# Altium PCB SDR_CAMERA.PcbDoc (part 1 of 3)
Units mil, origin at the board's own origin, x right, y up, seen from the top; angles counter-clockwise.
Board outline 4374.02 x 2769.29 mil, 10 copper layers (L1-TOP(Sign), L2(GND), L3(PWR), L4(GND), L5(Sign), L6(Sign), L7(GND), L8(PWR), L9(GND), L10-BOT(Sign)), stack 60 mil thick; 352 components, 289 nets, 1442 pads, 92 vias.
Unrouted connection lines stored in the file: 944.
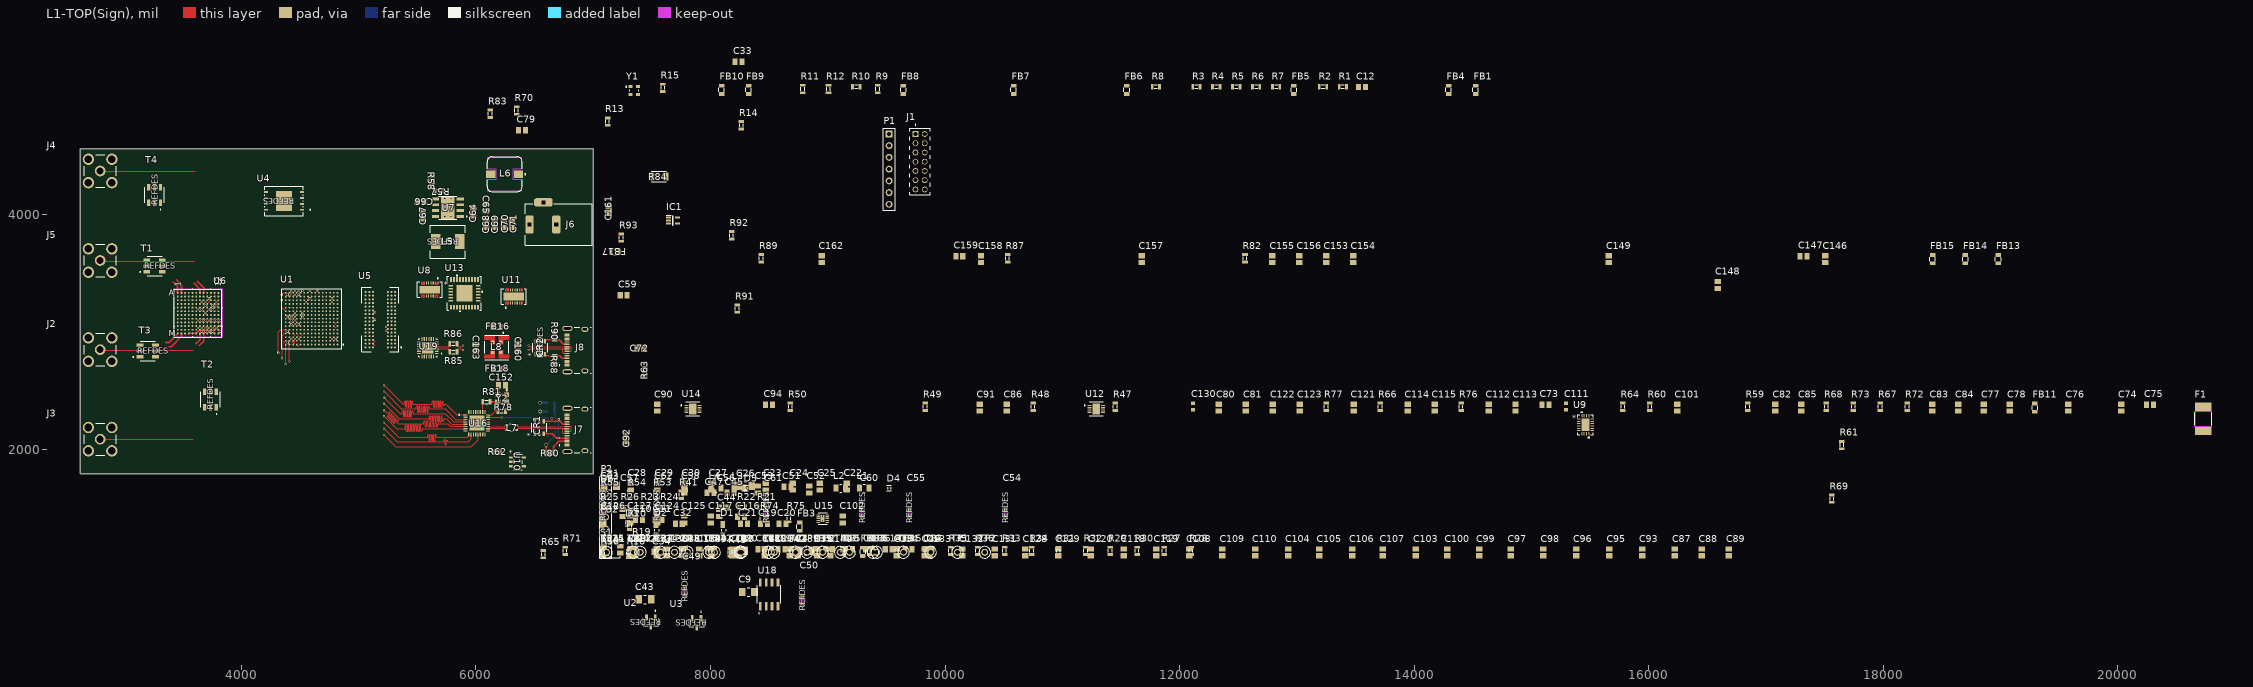
[diagram p0: L1-TOP(Sign) view]
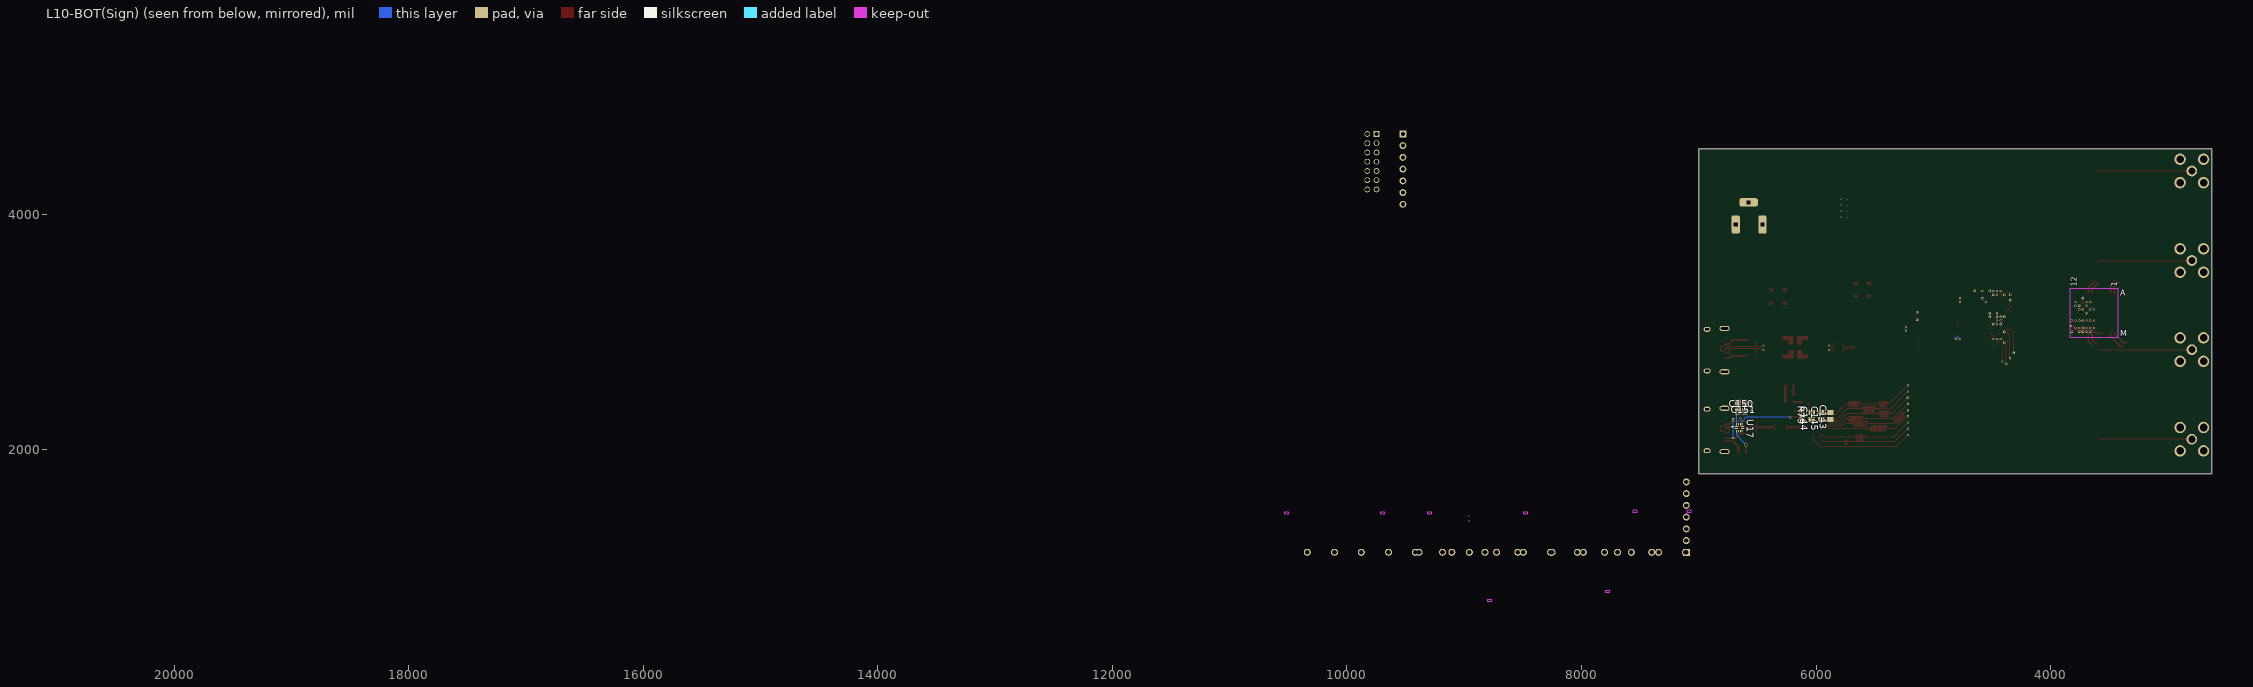
[diagram p1: L10-BOT(Sign) view, seen from below]
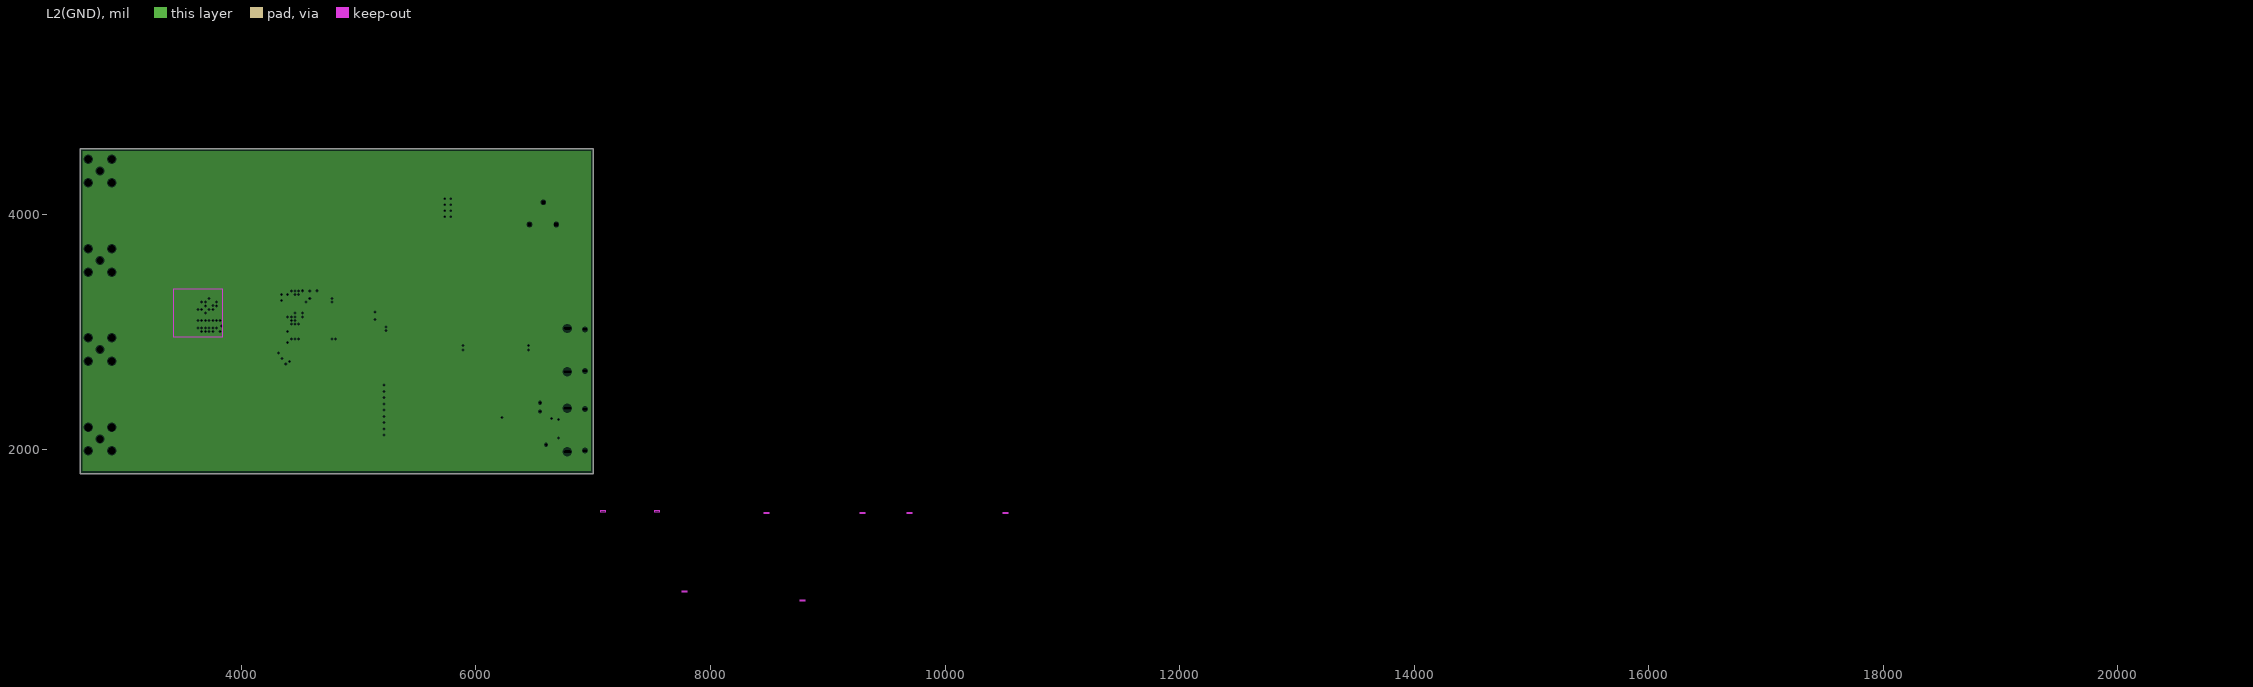
[diagram p2: L2(GND), clearances drawn from the general rule]
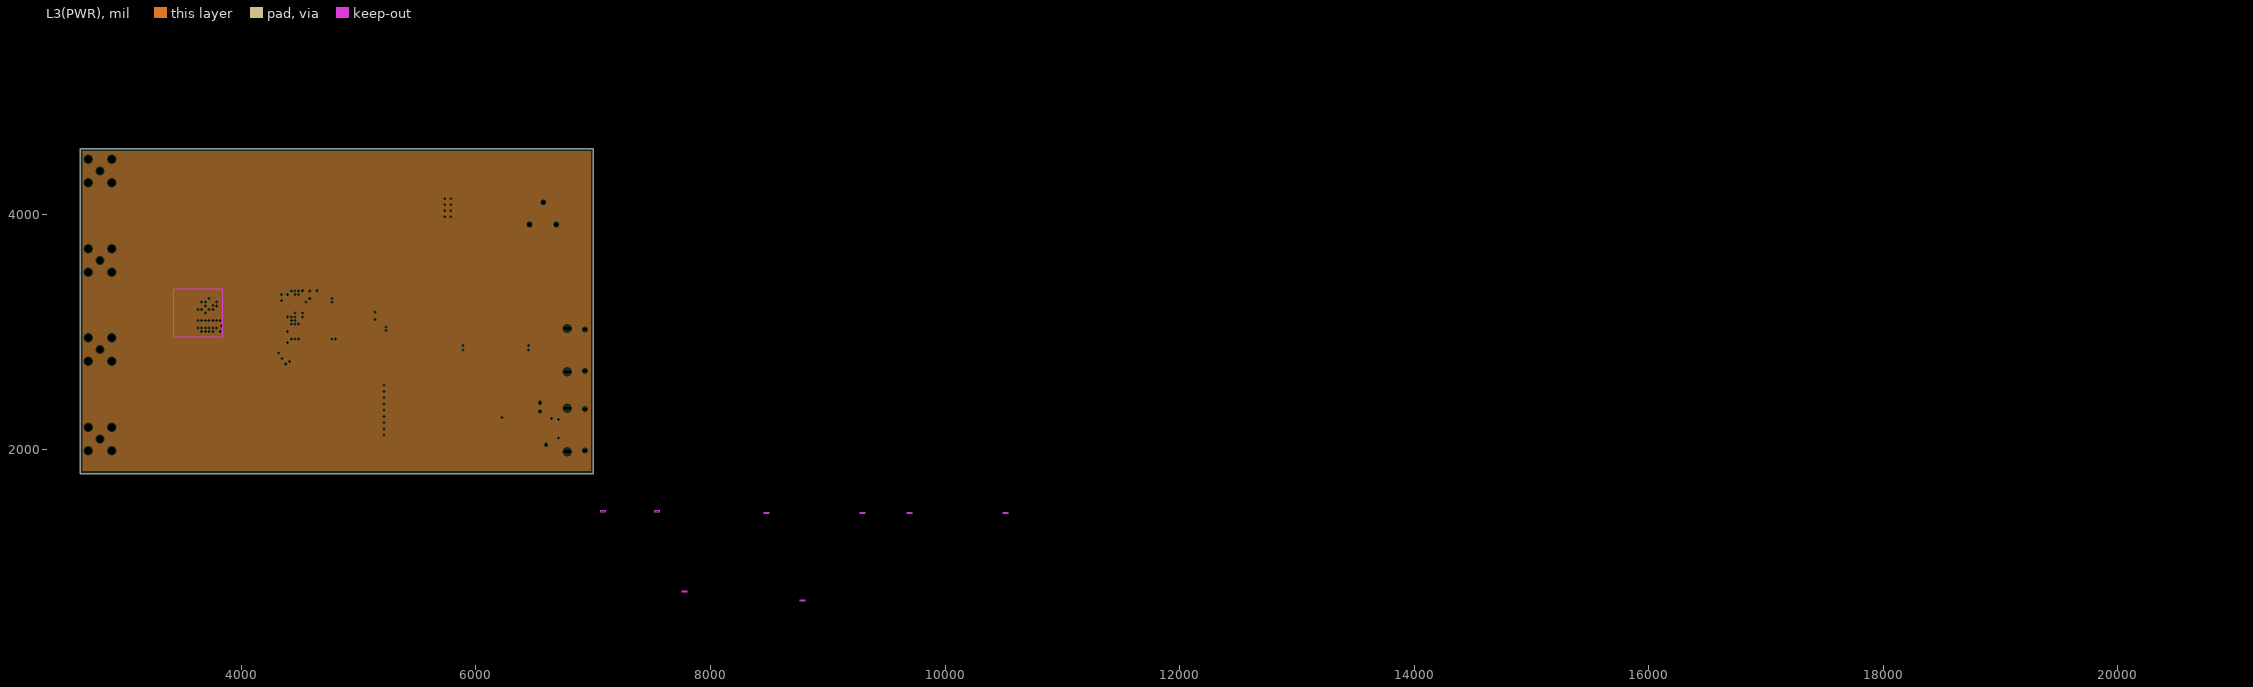
[diagram p3: L3(PWR), clearances drawn from the general rule]
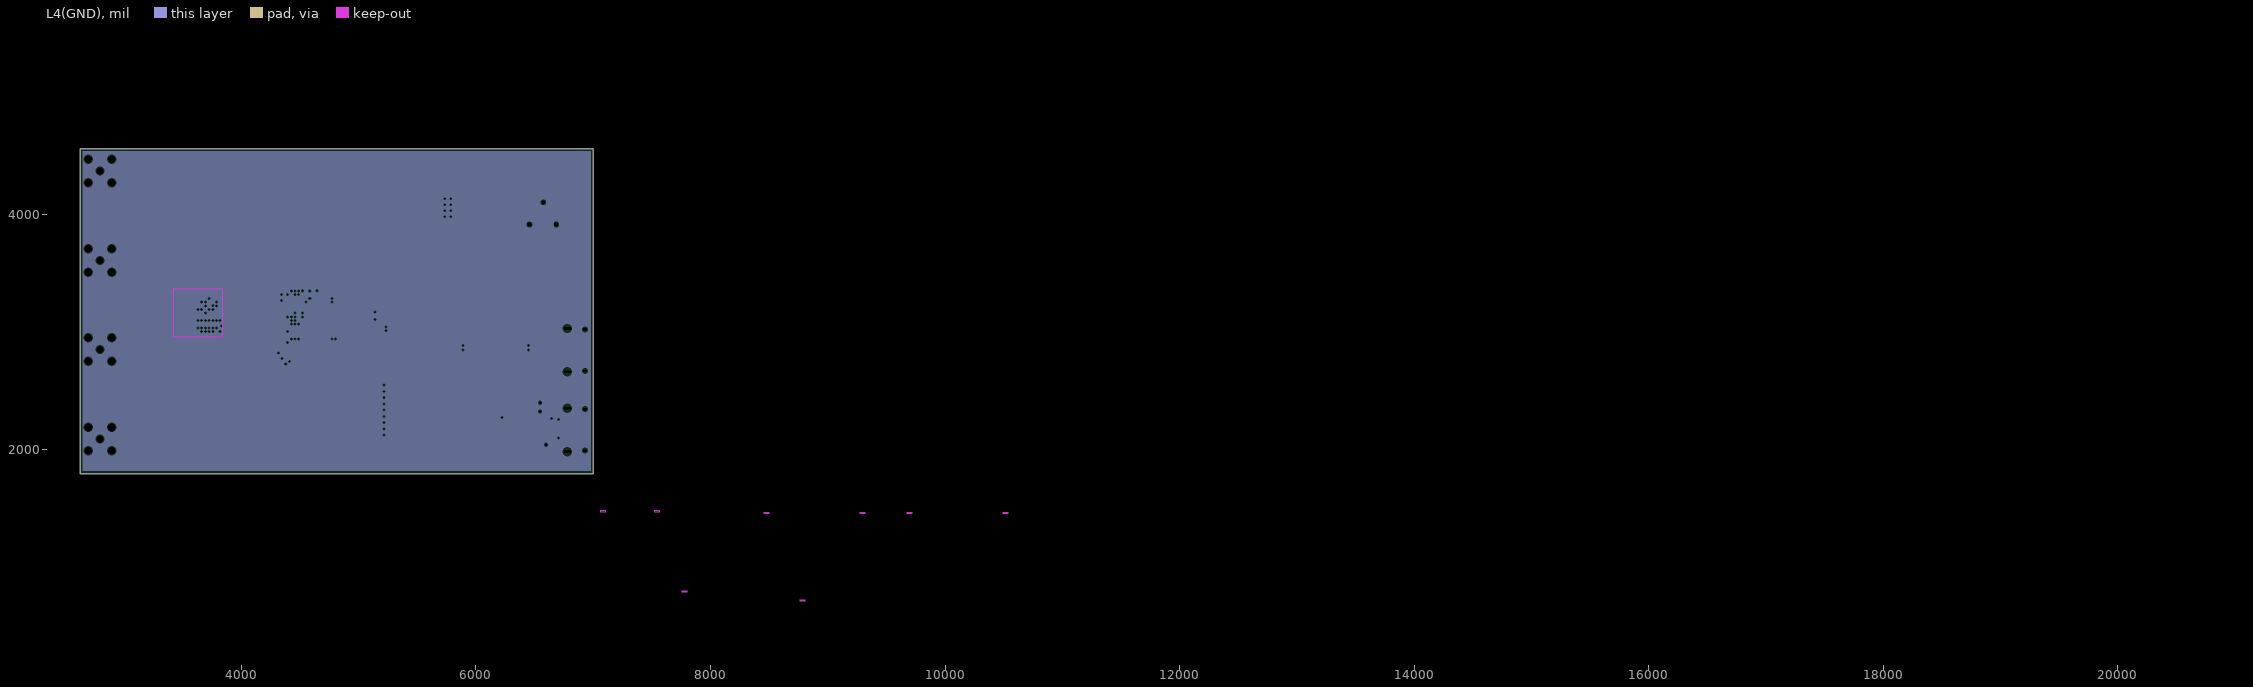
[diagram p4: L4(GND), clearances drawn from the general rule]
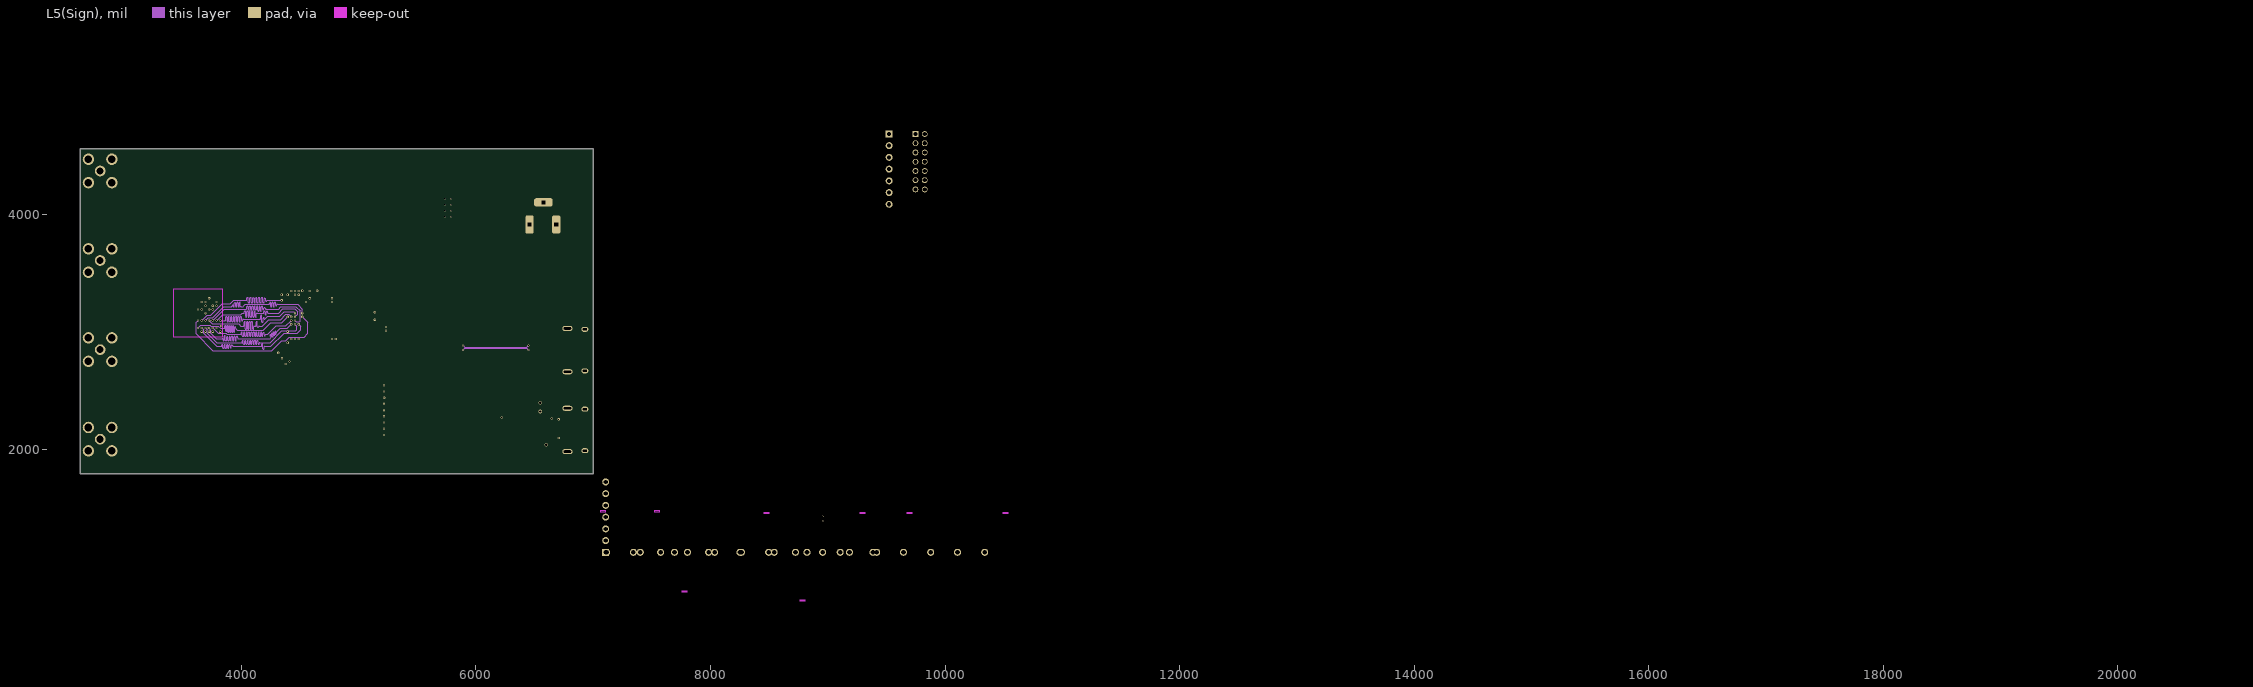
[diagram p5: L5(Sign)]
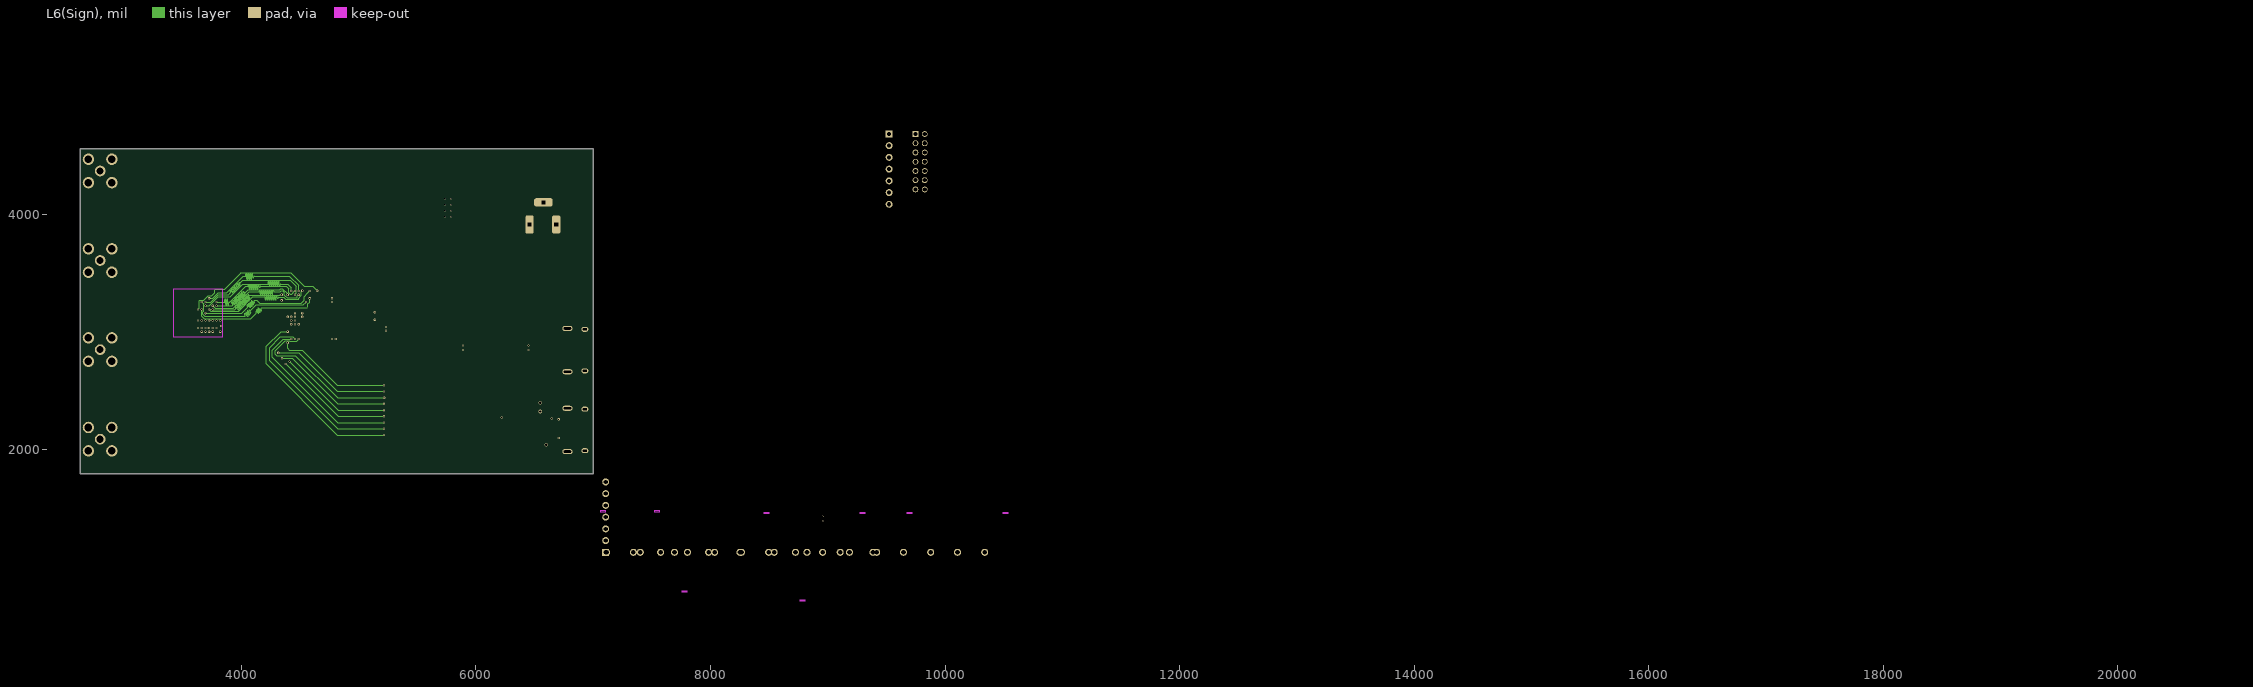
[diagram p6: L6(Sign)]
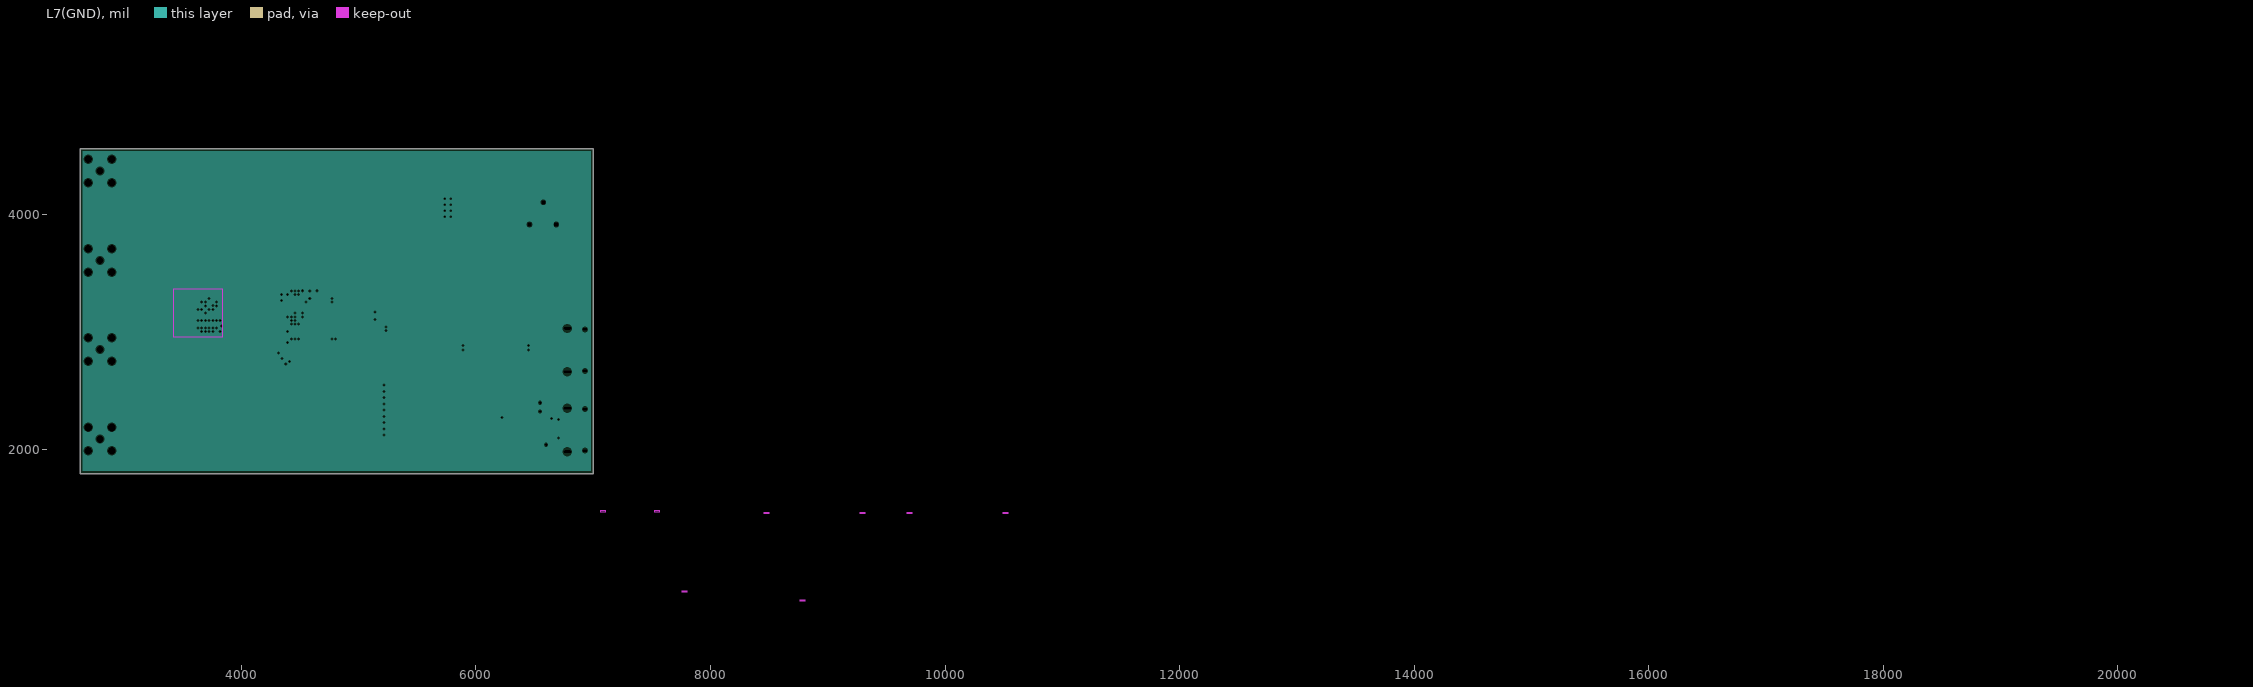
[diagram p7: L7(GND), clearances drawn from the general rule]
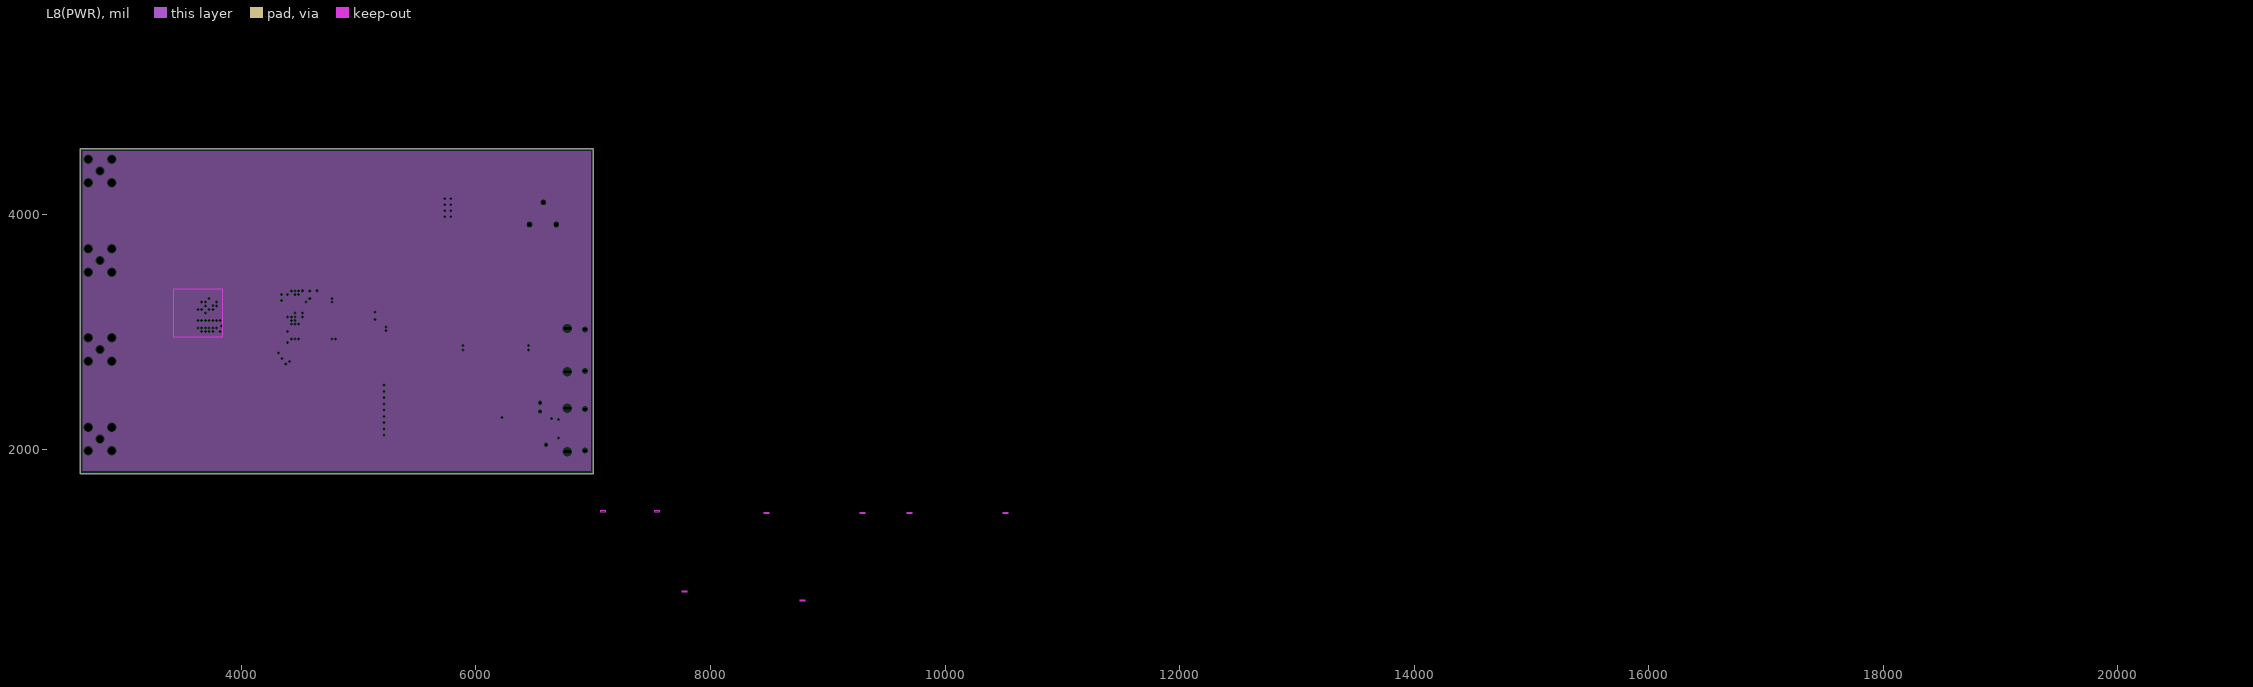
[diagram p8: L8(PWR), clearances drawn from the general rule]
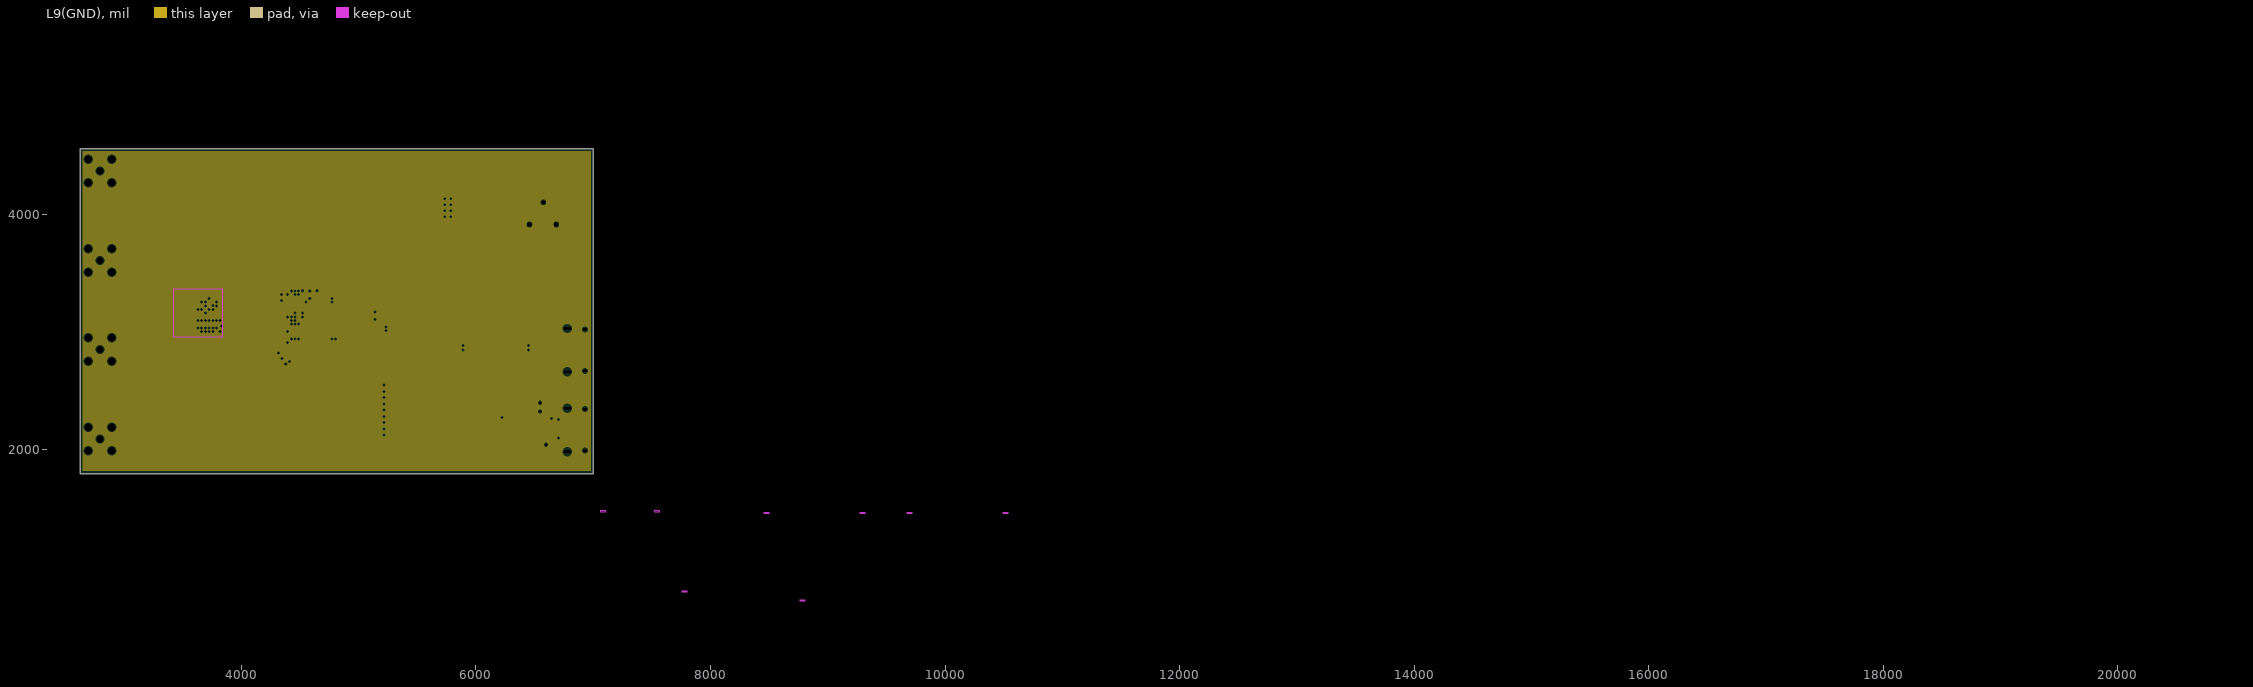
[diagram p9: L9(GND), clearances drawn from the general rule]

## Layer stack, top to bottom
Top Solder: solder mask 1, SM-001, Dk 4
L1-TOP(Sign): signal copper 1.378
PP1: prepreg 3.3661, 3313 RC58%, Dk 4.45
L2(GND): plane copper 1.378
CORE 1: core 5.1181, Core-016, Dk 4.6
L3(PWR): plane copper 1.378
PP2: prepreg 6.3386, 7628 RC46%, Dk 4.74
L4(GND): plane copper 1.378
CORE 2: core 5.1181, Core-016, Dk 4.6
L5(Sign): signal copper 1.378
PP3-1: prepreg 3.1693, 7628 RC46%, Dk 4.74
PP3-2: prepreg 3.1693, 7628 RC46%, Dk 4.74
L6(Sign): signal copper 1.378
CORE 3: core 5.1181, Core-016, Dk 4.6
L7(GND): plane copper 1.378
PP4: prepreg 6.3386, 7628 RC46%, Dk 4.74
L8(PWR): plane copper 1.378
CORE 4: core 5.1181, Core-016, Dk 4.6
L9(GND): plane copper 1.378
PP5: prepreg 3.3661, 3313 RC58%, Dk 4.45
L10-BOT(Sign): signal copper 1.378
Bottom Solder: solder mask 1, SM-001, Dk 4

## Board outline
2625.98,1793.7 7000,1793.7 7000,4562.99 2625.98,4562.99

## Design rules (kind name [scope] priority, off if disabled: settings)
Clearance [All] p1: gap=4.02 ignorepadtopadclearanceinfootprint=TRUE
DiffPairsRouting Z100 [InDifferentialPairClass('D100')] p1: maxlimit=19.68 minlimit=11.81 mostfreqgap=23.62 toplayer_maxgap=11.81 toplayer_prefgap=11.81 toplayer_minwidth=5.32 toplayer_maxwidth=5.32 toplayer_prefwidth=5.32 midlayer1_mingap=19.68 midlayer1_minwidth=3.94 midlayer1_maxwidth=3.94 midlayer1_prefwidth=4.02 midlayer2_mingap=19.68 midlayer2_minwidth=3.94 midlayer2_maxwidth=3.94 midlayer2_prefwidth=4.02 bottomlayer_maxgap=11.81 bottomlayer_prefgap=11.81 bottomlayer_minwidth=5.32 bottomlayer_maxwidth=5.32 bottomlayer_prefwidth=5.32 impedanceprofiledriven=TRUE impedanceprofileid={E188B60C-FACD-4E9A-965F-4F36FC31DA77} impedanceprofilevalue=100.000000 maxuncoupledlength=500
DiffPairsRouting Z90 [InDifferentialPairClass('D90')] p2: maxlimit=7.87 minlimit=7.87 mostfreqgap=7.87 toplayer_minwidth=6.06 toplayer_maxwidth=6.06 toplayer_prefwidth=6.06 midlayer1_minwidth=3.94 midlayer1_maxwidth=3.94 midlayer1_prefwidth=3.94 midlayer2_minwidth=3.94 midlayer2_maxwidth=3.94 midlayer2_prefwidth=3.94 bottomlayer_minwidth=6.06 bottomlayer_maxwidth=6.06 bottomlayer_prefwidth=6.06 impedanceprofiledriven=TRUE impedanceprofileid={65CCD779-62A1-46E3-8112-2BA8CAB2542C} impedanceprofilevalue=90.000000 maxuncoupledlength=500
Length [All] p1: maxlimit=99999 minlimit=0
MatchedLengths MatchLengths_xSignals_U1_U5 [InxSignalClass('xSignals_U1_U5_MatchLengthsClass')] p1: tolerance=5.12 checknetsindiffpair=FALSE checkdiffpairvsdiffpair=TRUE checkxsignals=TRUE checkothers=TRUE
MatchedLengths MatchLengths_xSignals_U16_U1 [InxSignalClass('xSignals_U16_U1_MatchLengthsClass')] p2: tolerance=3.94 checknetsindiffpair=FALSE checkdiffpairvsdiffpair=TRUE checkxsignals=TRUE checkothers=TRUE
MatchedLengths MatchLengths_xSignals_U1_U6_1 [InxSignalClass('xSignals_U1_U6_MatchLengthsClass_1')] p3: tolerance=3.94 checknetsindiffpair=FALSE checkdiffpairvsdiffpair=TRUE checkxsignals=TRUE checkothers=TRUE
MatchedLengths MatchLengths_xSignals_U1_U6 [InxSignalClass('xSignals_U1_U6_MatchLengthsClass')] p4: tolerance=3.94 checknetsindiffpair=FALSE checkdiffpairvsdiffpair=TRUE checkxsignals=TRUE checkothers=TRUE
MatchedLengths MatchLengths_J7_Passives_U16 [InxSignalClass('xSignals_J7_Passives_U16_MatchLengthsClass')] p5: tolerance=1.97 checknetsindiffpair=FALSE checkdiffpairvsdiffpair=TRUE checkxsignals=TRUE checkothers=TRUE
MatchedLengths MatchLengths_xSignals_J7_Passives [InxSignalClass('xSignals_J7_Passives_MatchLengthsClass')] p6: tolerance=1.97 checknetsindiffpair=FALSE checkdiffpairvsdiffpair=TRUE checkxsignals=TRUE checkothers=TRUE
MatchedLengths MatchLengths_xSignals_J7_U16 [InxSignalClass('xSignals_J7_U16_MatchLengthsClass')] p7: tolerance=1.97 checknetsindiffpair=FALSE checkdiffpairvsdiffpair=TRUE checkxsignals=TRUE checkothers=TRUE
MatchedLengths MatchedLengths_USB_DiffPairs [All] p8: tolerance=5 checknetsindiffpair=TRUE checkdiffpairvsdiffpair=FALSE checkxsignals=FALSE checkothers=FALSE
MatchedLengths MatchLengths_xSignals_U16_U1_ULPI_50 [InxSignalClass('xSignals_U16_U1_MatchLengthsClass_ULPI_50')] p9: tolerance=236.22 checknetsindiffpair=FALSE checkdiffpairvsdiffpair=TRUE checkxsignals=TRUE checkothers=TRUE
MatchedLengths MatchLengths_J8_Passives_U19_1 [InxSignalClass('xSignals_J8_Passives_U19_MatchLengthsClass_1')] p10: tolerance=15 checknetsindiffpair=FALSE checkdiffpairvsdiffpair=TRUE checkxsignals=TRUE checkothers=TRUE
MatchedLengths MatchLengths_xSignals_J8_Passives_1 [InxSignalClass('xSignals_J8_Passives_MatchLengthsClass_1')] p11: tolerance=15 checknetsindiffpair=TRUE checkdiffpairvsdiffpair=FALSE checkxsignals=FALSE checkothers=FALSE
MatchedLengths MatchLengths_J8_Passives_U19 [InxSignalClass('xSignals_J8_Passives_U19_MatchLengthsClass')] p12: tolerance=15 checknetsindiffpair=TRUE checkdiffpairvsdiffpair=FALSE checkxsignals=FALSE checkothers=FALSE
MatchedLengths MatchLengths_xSignals_J8_Passives [InxSignalClass('xSignals_J8_Passives_MatchLengthsClass')] p13: tolerance=15 checknetsindiffpair=TRUE checkdiffpairvsdiffpair=FALSE checkxsignals=FALSE checkothers=FALSE
MatchedLengths MatchLengths_xSignals_J8_U19 [InxSignalClass('xSignals_J8_U19_MatchLengthsClass')] p14: tolerance=15 checknetsindiffpair=TRUE checkdiffpairvsdiffpair=FALSE checkxsignals=FALSE checkothers=FALSE
PlaneClearance [All] p1: clearance=8
PlaneConnect [All] p1: planeconnectstyle=Relief reliefexpansion=20 reliefentries=4 reliefconductorwidth=10 reliefairgap=10
PolygonConnect [All] p1: connectstyle=Relief reliefconductorwidth=10 reliefentries=4 polygonreliefangle="90 Angle" airgapwidth=10
ReturnPath [All] p1: impedanceprofileid={9585789F-0CDA-4C16-9413-702D43CCB88E} _gaplimit=0
RoomDefinition USB [InComponentClass('USB')] p1: confinementstyle=ConfineIn formatcopy=TRUE lockcomponents=FALSE outline 6995.3,656.34 19499.25,656.34 19499.25,959.49 6995.3,959.49
RoomDefinition DDR3 [InComponentClass('DDR3')] p2: confinementstyle=ConfineIn formatcopy=TRUE lockcomponents=FALSE outline 10555.1,1401.57 12460.6,1401.57 12460.6,1763.78 10555.1,1763.78
RoomDefinition ZYNQ [InComponentClass('ZYNQ')] p3: confinementstyle=ConfineIn formatcopy=TRUE lockcomponents=FALSE outline 7216.52,1078.74 7433.06,1078.74 7433.06,1751.96 7216.52,1751.96
RoomDefinition RF [InComponentClass('RF')] p4: confinementstyle=ConfineIn formatcopy=TRUE lockcomponents=FALSE outline 7696.84,1133.86 7889.75,1133.86 7889.75,1362.2 7696.84,1362.2
RoomDefinition POWER [InComponentClass('POWER')] p5: confinementstyle=ConfineIn formatcopy=TRUE lockcomponents=FALSE outline 7043.29,1413.38 8291.32,1413.38 8291.32,1755.9 7043.29,1755.9
RoutingVias FanOut_Vias [InNetClass('All Nets')] p1: holewidth=4 width=16 viastyle="Through Hole" minholewidth=3.94 minwidth=11.81 maxholewidth=7.87 maxwidth=17.72
RoutingVias Vias_Normales [All] p2: holewidth=7.87 width=50 viastyle="Through Hole" minholewidth=28 minwidth=50 maxholewidth=28 maxwidth=50
SolderMaskExpansion [IsVia] p1: expansion=1.97 istentingtop=TRUE useseparateexpansions=TRUE expansionbottom=1.97 istentingbottom=TRUE
ViasUnderSMD [All] p1: allowed=FALSE
Width [All] p1: maxlimit=100 minlimit=1.97 preferedwidth=4.02
27 further rules are at their usual default settings.
